# KiCad board panel.kicad_pcb
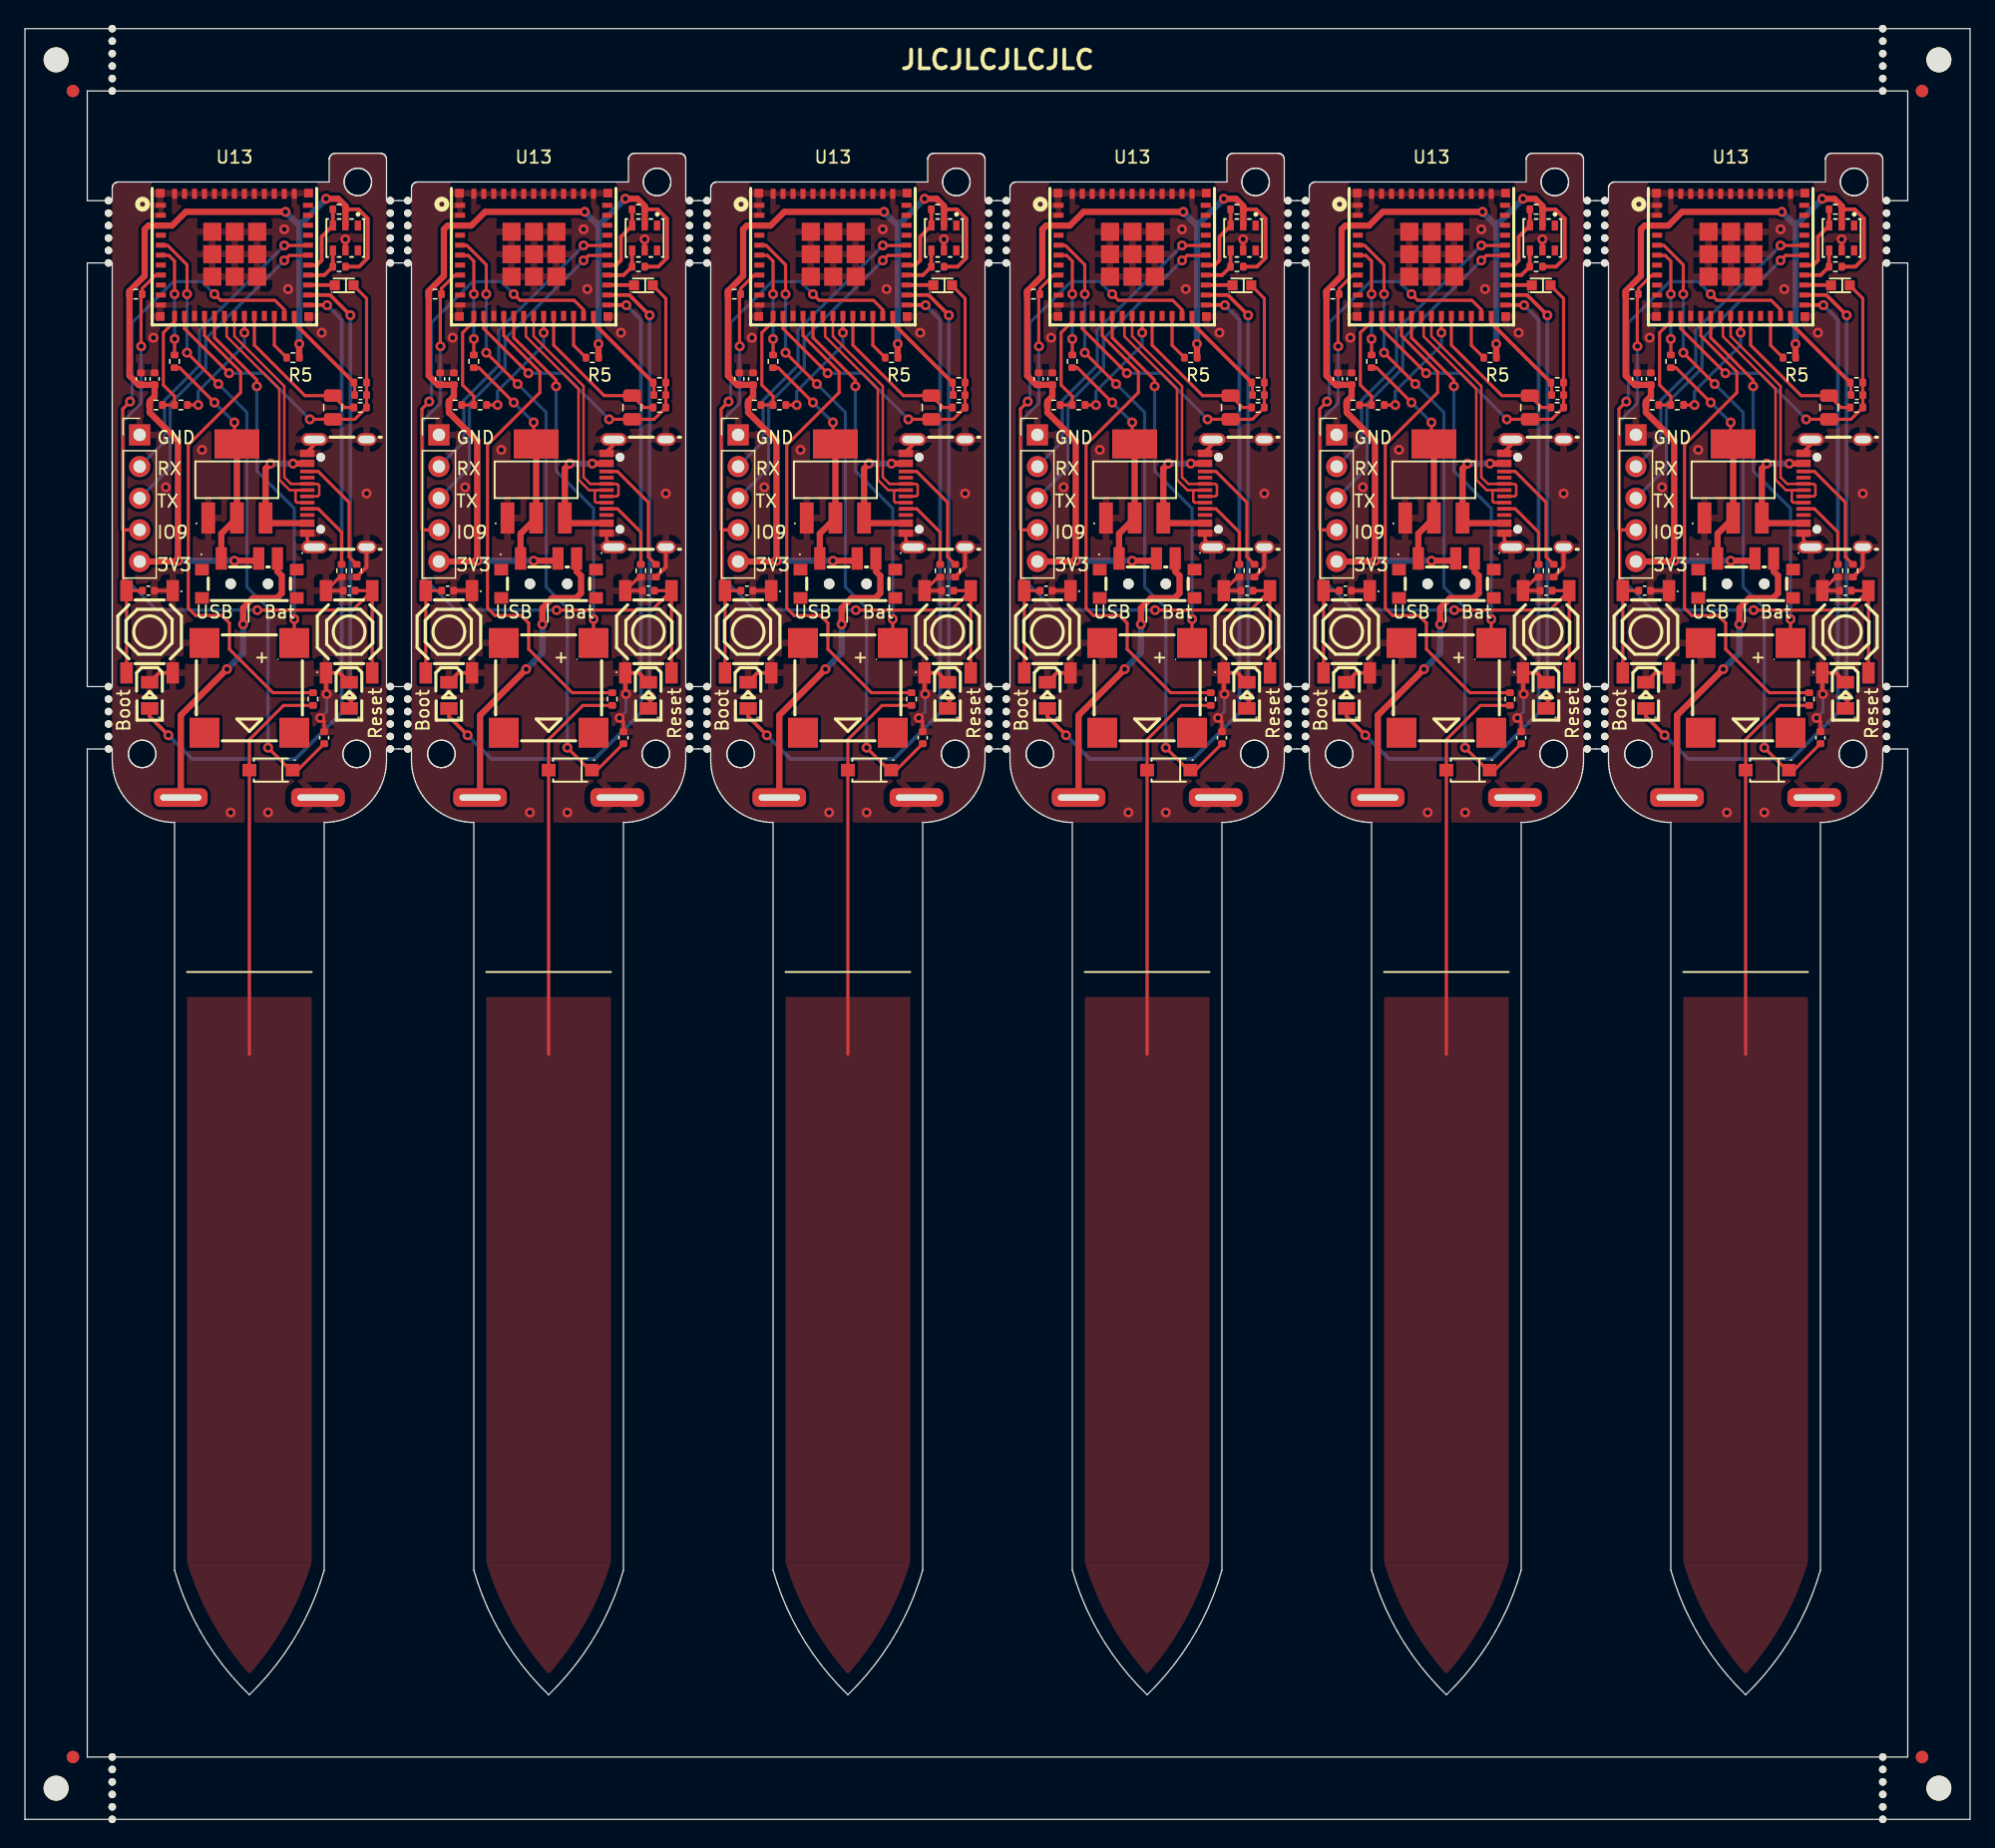
[diagram p0: board, top side]
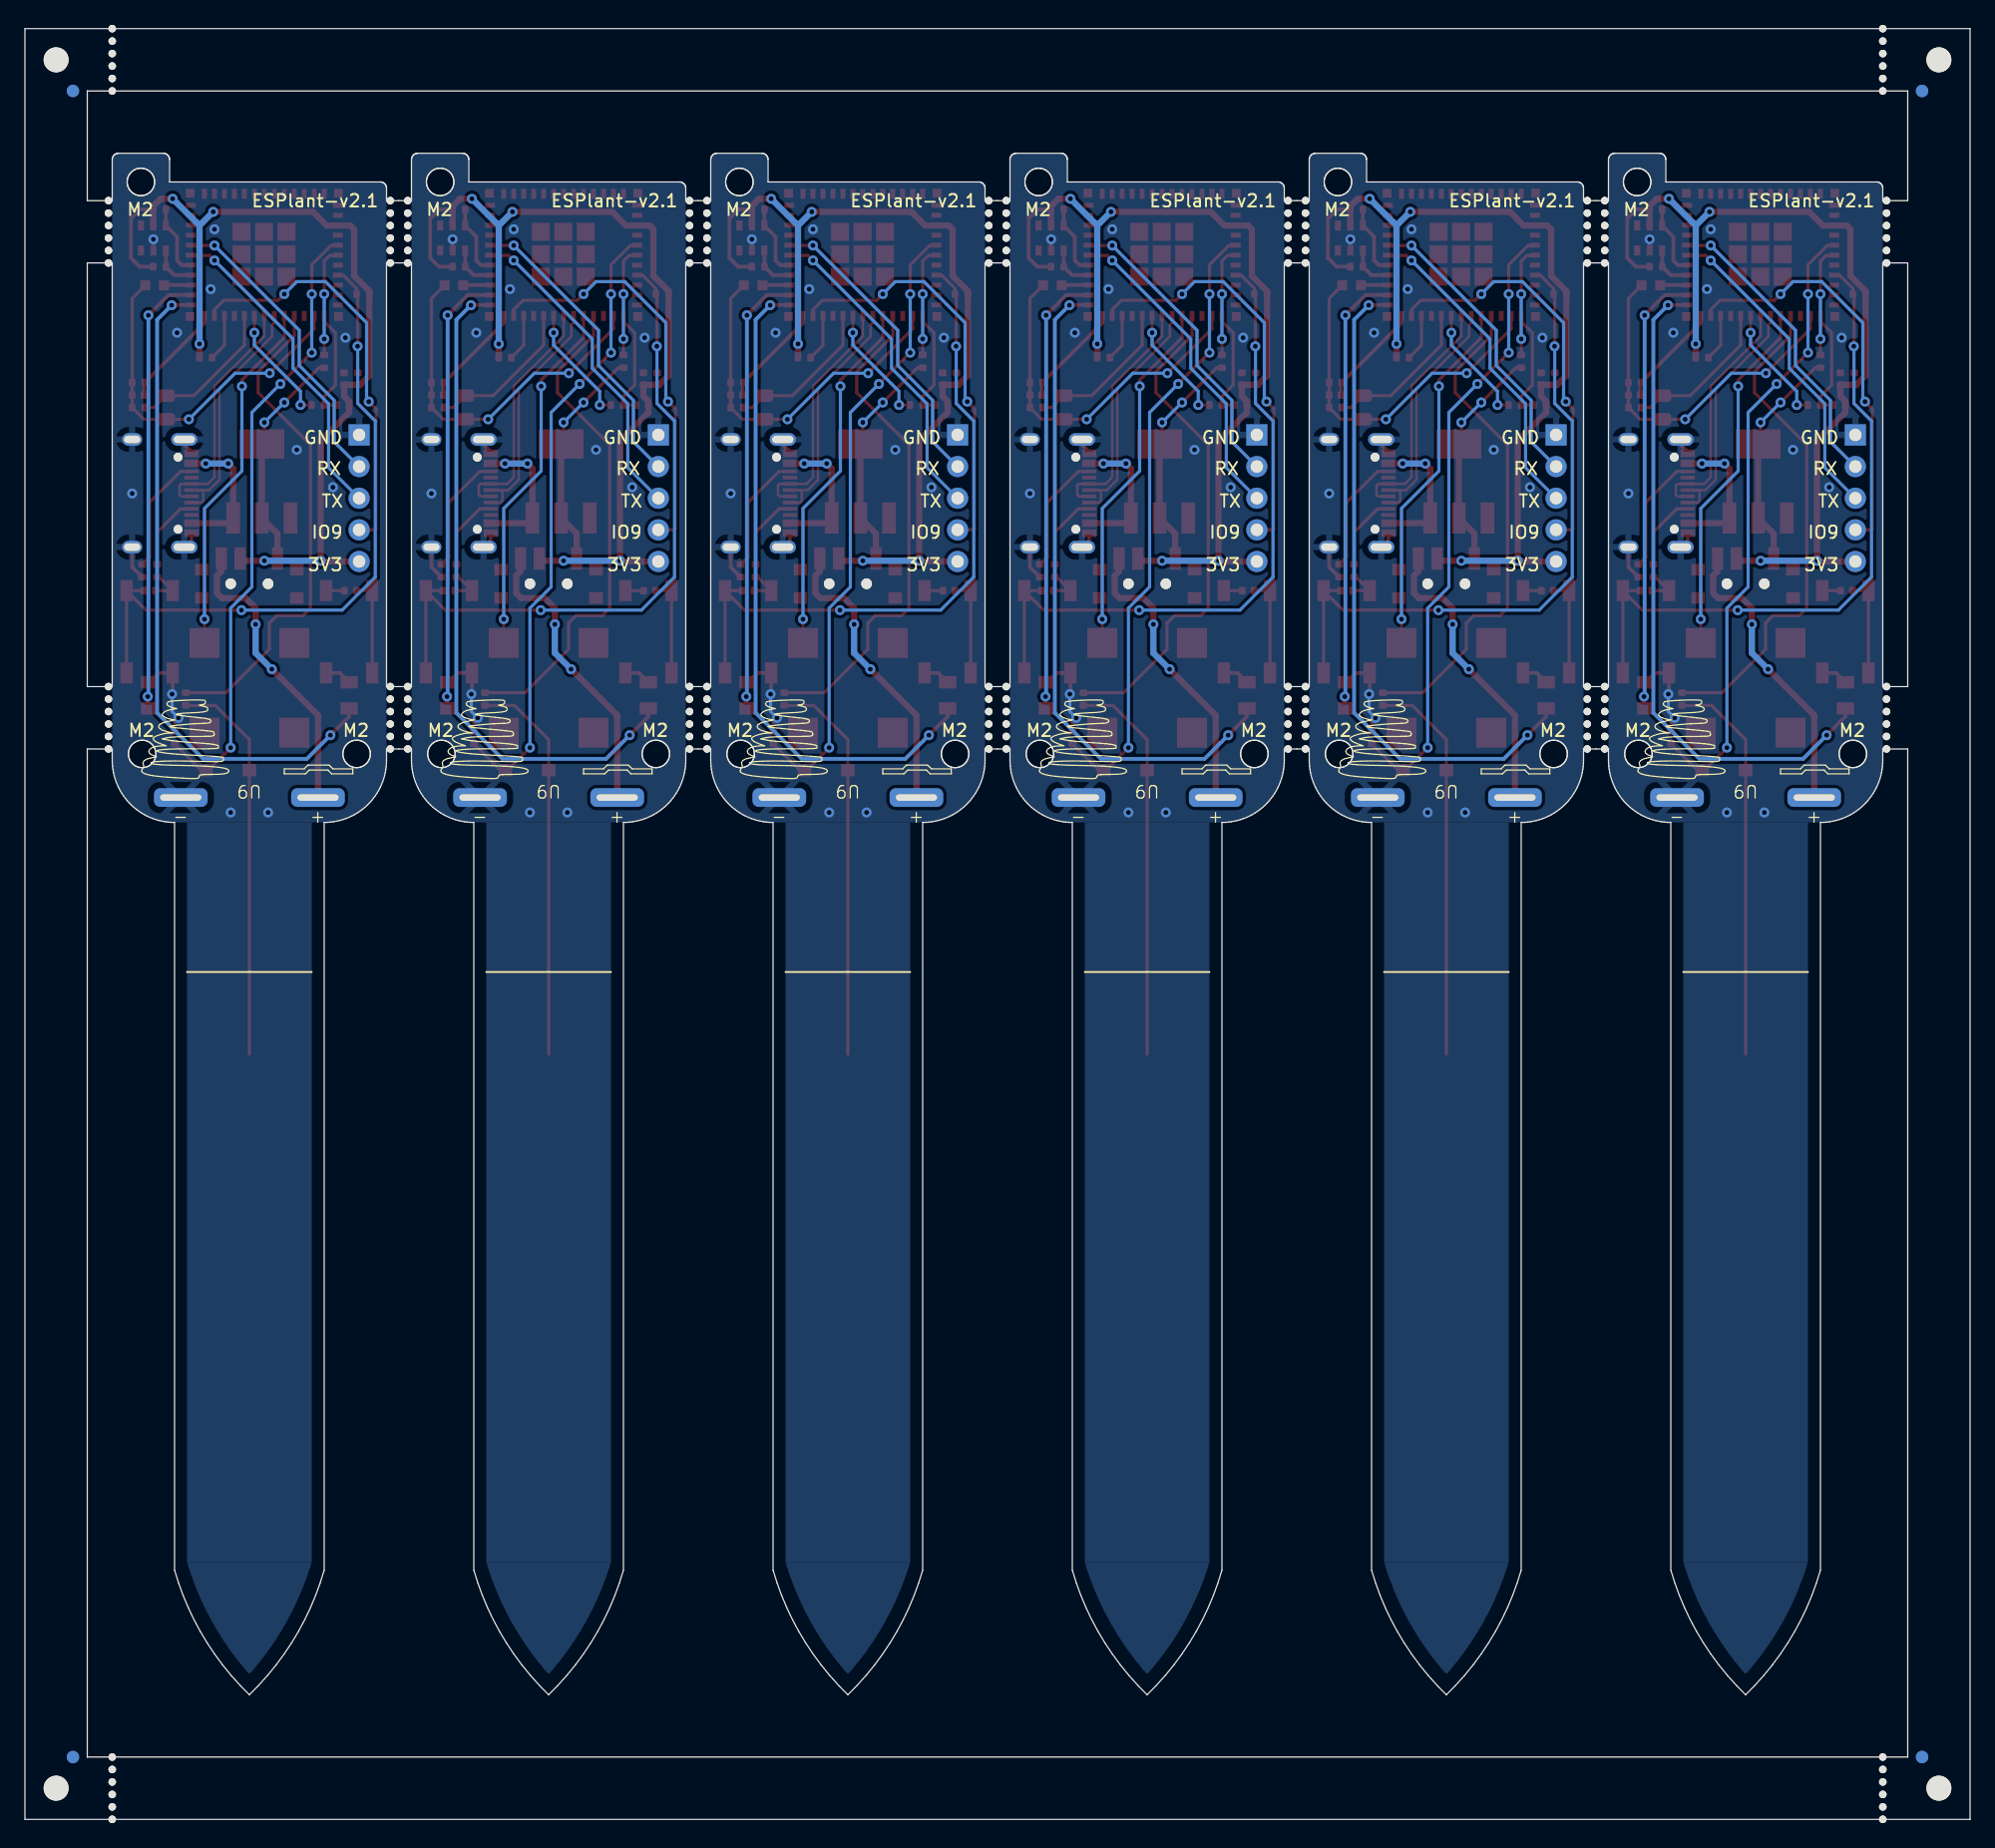
[diagram p1: board, bottom side, seen from below]

Outline 156 x 143.7 mm; copper layers: Top, Bottom. Coordinates in mm from the lower left corner of the outline.
Stack: Top 0.035mm / dielectric 1.51mm FR4 er 4.5 / Bottom 0.035mm

## Placement (name value [footprint] x y rotation side)
BZ1  Buzzer  [BUZ-SMD_4P-L8.5-W8.5-P8.50-BR]  42 90.8 180 top
BZ1#2  Buzzer  [BUZ-SMD_4P-L8.5-W8.5-P8.50-BR]  90 90.8 180 top
BZ1#3  Buzzer  [BUZ-SMD_4P-L8.5-W8.5-P8.50-BR]  138 90.8 180 top
BZ1#4  Buzzer  [BUZ-SMD_4P-L8.5-W8.5-P8.50-BR]  18 90.8 180 top
BZ1#5  Buzzer  [BUZ-SMD_4P-L8.5-W8.5-P8.50-BR]  66 90.8 180 top
BZ1#6  Buzzer  [BUZ-SMD_4P-L8.5-W8.5-P8.50-BR]  114 90.8 180 top
C1  100nF  [C_0402_1005Metric]  98 98.6 0 top
C1#2  100nF  [C_0402_1005Metric]  50 98.6 0 top
C1#3  100nF  [C_0402_1005Metric]  26 98.6 0 top
C1#4  100nF  [C_0402_1005Metric]  74 98.6 0 top
C1#5  100nF  [C_0402_1005Metric]  122 98.6 0 top
C1#6  100nF  [C_0402_1005Metric]  146 98.6 0 top
C2  100nF  [C_0402_1005Metric]  105.9 98.6 180 top
C2#2  100nF  [C_0402_1005Metric]  129.9 98.6 180 top
C2#3  100nF  [C_0402_1005Metric]  9.9 98.6 180 top
C2#4  100nF  [C_0402_1005Metric]  57.9 98.6 180 top
C2#5  100nF  [C_0402_1005Metric]  33.9 98.6 180 top
C2#6  100nF  [C_0402_1005Metric]  81.9 98.6 180 top
C3  150pF  [C_0402_1005Metric]  144 86.8 270 top
C3#2  150pF  [C_0402_1005Metric]  120 86.8 270 top
C3#3  150pF  [C_0402_1005Metric]  72 86.8 270 top
C3#4  150pF  [C_0402_1005Metric]  24 86.8 270 top
C3#5  150pF  [C_0402_1005Metric]  48 86.8 270 top
C3#6  150pF  [C_0402_1005Metric]  96 86.8 270 top
C5  100nF  [C_0402_1005Metric]  50.92 114.3 180 top
C5#2  100nF  [C_0402_1005Metric]  122.92 114.3 180 top
C5#3  100nF  [C_0402_1005Metric]  98.92 114.3 180 top
C5#4  100nF  [C_0402_1005Metric]  26.92 114.3 180 top
C5#5  100nF  [C_0402_1005Metric]  146.92 114.3 180 top
C5#6  100nF  [C_0402_1005Metric]  74.92 114.3 180 top
C7  47uF  [C_0805_2012Metric]  120.7 113.3 90 top
C7#2  47uF  [C_0805_2012Metric]  96.7 113.3 90 top
C7#3  47uF  [C_0805_2012Metric]  24.7 113.3 90 top
C7#4  47uF  [C_0805_2012Metric]  72.7 113.3 90 top
C7#5  47uF  [C_0805_2012Metric]  144.7 113.3 90 top
C7#6  47uF  [C_0805_2012Metric]  48.7 113.3 90 top
C8  10nF  [C_0402_1005Metric]  10.4 115.6 90 top
C8#2  10nF  [C_0402_1005Metric]  106.4 115.6 90 top
C8#3  10nF  [C_0402_1005Metric]  34.4 115.6 90 top
C8#4  10nF  [C_0402_1005Metric]  58.4 115.6 90 top
C8#5  10nF  [C_0402_1005Metric]  130.4 115.6 90 top
C8#6  10nF  [C_0402_1005Metric]  82.4 115.6 90 top
C9  10uF  [C_0402_1005Metric]  81.3 115.6 90 top
C9#2  10uF  [C_0402_1005Metric]  57.3 115.6 90 top
C9#3  10uF  [C_0402_1005Metric]  9.3 115.6 90 top
C9#4  10uF  [C_0402_1005Metric]  129.3 115.6 90 top
C9#5  10uF  [C_0402_1005Metric]  33.3 115.6 90 top
C9#6  10uF  [C_0402_1005Metric]  105.3 115.6 90 top
D1  GREEN  [LED0805-R-RD]  10 90.2 270 top
D1#2  GREEN  [LED0805-R-RD]  58 90.2 270 top
D1#3  GREEN  [LED0805-R-RD]  106 90.2 270 top
D1#4  GREEN  [LED0805-R-RD]  130 90.2 270 top
D1#5  GREEN  [LED0805-R-RD]  82 90.2 270 top
D1#6  GREEN  [LED0805-R-RD]  34 90.2 270 top
D2  SOD-123-Switching-Diode  [SOD-123F_L2.7-W1.6-LS3.8-RD]  67.73 84.2 180 top
D2#2  SOD-123-Switching-Diode  [SOD-123F_L2.7-W1.6-LS3.8-RD]  43.73 84.2 180 top
D2#3  SOD-123-Switching-Diode  [SOD-123F_L2.7-W1.6-LS3.8-RD]  115.73 84.2 180 top
D2#4  SOD-123-Switching-Diode  [SOD-123F_L2.7-W1.6-LS3.8-RD]  91.73 84.2 180 top
D2#5  SOD-123-Switching-Diode  [SOD-123F_L2.7-W1.6-LS3.8-RD]  139.73 84.2 180 top
D2#6  SOD-123-Switching-Diode  [SOD-123F_L2.7-W1.6-LS3.8-RD]  19.73 84.2 180 top
D3  RED  [LED0805-R-RD]  26 90.2 270 top
D3#2  RED  [LED0805-R-RD]  74 90.2 270 top
D3#3  RED  [LED0805-R-RD]  122 90.2 270 top
D3#4  RED  [LED0805-R-RD]  50 90.2 270 top
D3#5  RED  [LED0805-R-RD]  98 90.2 270 top
D3#6  RED  [LED0805-R-RD]  146 90.2 270 top
J1  Conn_01x05  [PinHeader_1x05_P2.54mm_Vertical]  57.2 111.1 0 top
J1#2  Conn_01x05  [PinHeader_1x05_P2.54mm_Vertical]  9.2 111.1 0 top
J1#3  Conn_01x05  [PinHeader_1x05_P2.54mm_Vertical]  81.2 111.1 0 top
J1#4  Conn_01x05  [PinHeader_1x05_P2.54mm_Vertical]  33.2 111.1 0 top
J1#5  Conn_01x05  [PinHeader_1x05_P2.54mm_Vertical]  105.2 111.1 0 top
J1#6  Conn_01x05  [PinHeader_1x05_P2.54mm_Vertical]  129.2 111.1 0 top
KiKit_FID_B_1  -  [Fiducial]  3.85 138.7 0 bottom
KiKit_FID_B_2  -  [Fiducial]  152.15 138.7 0 bottom
KiKit_FID_B_3  -  [Fiducial]  3.85 5 0 bottom
KiKit_FID_B_4  -  [Fiducial]  152.15 5 0 bottom
KiKit_FID_T_1  -  [Fiducial]  3.85 138.7 0 top
KiKit_FID_T_2  -  [Fiducial]  152.15 138.7 0 top
KiKit_FID_T_3  -  [Fiducial]  3.85 5 0 top
KiKit_FID_T_4  -  [Fiducial]  152.15 5 0 top
KiKit_MB_1_1  -  [NPTH]  29.3 124.9 0 top
KiKit_MB_1_2  -  [NPTH]  29.3 125.9 0 top
KiKit_MB_1_3  -  [NPTH]  29.3 126.9 0 top
KiKit_MB_1_4  -  [NPTH]  29.3 127.9 0 top
KiKit_MB_1_5  -  [NPTH]  29.3 128.9 0 top
KiKit_MB_1_6  -  [NPTH]  29.3 129.9 0 top
KiKit_MB_2_1  -  [NPTH]  6.7 129.9 0 top
KiKit_MB_2_2  -  [NPTH]  6.7 128.9 0 top
KiKit_MB_2_3  -  [NPTH]  6.7 127.9 0 top
KiKit_MB_2_4  -  [NPTH]  6.7 126.9 0 top
KiKit_MB_2_5  -  [NPTH]  6.7 125.9 0 top
KiKit_MB_2_6  -  [NPTH]  6.7 124.9 0 top
KiKit_MB_3_1  -  [NPTH]  6.7 90.9 0 top
KiKit_MB_3_2  -  [NPTH]  6.7 89.9 0 top
KiKit_MB_3_3  -  [NPTH]  6.7 88.9 0 top
KiKit_MB_3_4  -  [NPTH]  6.7 87.9 0 top
KiKit_MB_3_5  -  [NPTH]  6.7 86.9 0 top
KiKit_MB_3_6  -  [NPTH]  6.7 85.9 0 top
KiKit_MB_4_1  -  [NPTH]  29.3 85.9 0 top
KiKit_MB_4_2  -  [NPTH]  29.3 86.9 0 top
KiKit_MB_4_3  -  [NPTH]  29.3 87.9 0 top
KiKit_MB_4_4  -  [NPTH]  29.3 88.9 0 top
KiKit_MB_4_5  -  [NPTH]  29.3 89.9 0 top
KiKit_MB_4_6  -  [NPTH]  29.3 90.9 0 top
KiKit_MB_5_1  -  [NPTH]  53.3 124.9 0 top
KiKit_MB_5_2  -  [NPTH]  53.3 125.9 0 top
KiKit_MB_5_3  -  [NPTH]  53.3 126.9 0 top
KiKit_MB_5_4  -  [NPTH]  53.3 127.9 0 top
KiKit_MB_5_5  -  [NPTH]  53.3 128.9 0 top
KiKit_MB_5_6  -  [NPTH]  53.3 129.9 0 top
KiKit_MB_6_1  -  [NPTH]  30.7 129.9 0 top
KiKit_MB_6_2  -  [NPTH]  30.7 128.9 0 top
KiKit_MB_6_3  -  [NPTH]  30.7 127.9 0 top
KiKit_MB_6_4  -  [NPTH]  30.7 126.9 0 top
KiKit_MB_6_5  -  [NPTH]  30.7 125.9 0 top
KiKit_MB_6_6  -  [NPTH]  30.7 124.9 0 top
KiKit_MB_7_1  -  [NPTH]  30.7 90.9 0 top
KiKit_MB_7_2  -  [NPTH]  30.7 89.9 0 top
KiKit_MB_7_3  -  [NPTH]  30.7 88.9 0 top
KiKit_MB_7_4  -  [NPTH]  30.7 87.9 0 top
KiKit_MB_7_5  -  [NPTH]  30.7 86.9 0 top
KiKit_MB_7_6  -  [NPTH]  30.7 85.9 0 top
KiKit_MB_8_1  -  [NPTH]  53.3 85.9 0 top
KiKit_MB_8_2  -  [NPTH]  53.3 86.9 0 top
KiKit_MB_8_3  -  [NPTH]  53.3 87.9 0 top
KiKit_MB_8_4  -  [NPTH]  53.3 88.9 0 top
KiKit_MB_8_5  -  [NPTH]  53.3 89.9 0 top
KiKit_MB_8_6  -  [NPTH]  53.3 90.9 0 top
KiKit_MB_9_1  -  [NPTH]  77.3 124.9 0 top
KiKit_MB_9_2  -  [NPTH]  77.3 125.9 0 top
KiKit_MB_9_3  -  [NPTH]  77.3 126.9 0 top
KiKit_MB_9_4  -  [NPTH]  77.3 127.9 0 top
KiKit_MB_9_5  -  [NPTH]  77.3 128.9 0 top
KiKit_MB_9_6  -  [NPTH]  77.3 129.9 0 top
KiKit_MB_10_1  -  [NPTH]  54.7 129.9 0 top
KiKit_MB_10_2  -  [NPTH]  54.7 128.9 0 top
KiKit_MB_10_3  -  [NPTH]  54.7 127.9 0 top
KiKit_MB_10_4  -  [NPTH]  54.7 126.9 0 top
KiKit_MB_10_5  -  [NPTH]  54.7 125.9 0 top
KiKit_MB_10_6  -  [NPTH]  54.7 124.9 0 top
KiKit_MB_11_1  -  [NPTH]  54.7 90.9 0 top
KiKit_MB_11_2  -  [NPTH]  54.7 89.9 0 top
KiKit_MB_11_3  -  [NPTH]  54.7 88.9 0 top
KiKit_MB_11_4  -  [NPTH]  54.7 87.9 0 top
KiKit_MB_11_5  -  [NPTH]  54.7 86.9 0 top
KiKit_MB_11_6  -  [NPTH]  54.7 85.9 0 top
KiKit_MB_12_1  -  [NPTH]  77.3 85.9 0 top
KiKit_MB_12_2  -  [NPTH]  77.3 86.9 0 top
KiKit_MB_12_3  -  [NPTH]  77.3 87.9 0 top
KiKit_MB_12_4  -  [NPTH]  77.3 88.9 0 top
KiKit_MB_12_5  -  [NPTH]  77.3 89.9 0 top
KiKit_MB_12_6  -  [NPTH]  77.3 90.9 0 top
KiKit_MB_13_1  -  [NPTH]  101.3 124.9 0 top
KiKit_MB_13_2  -  [NPTH]  101.3 125.9 0 top
KiKit_MB_13_3  -  [NPTH]  101.3 126.9 0 top
KiKit_MB_13_4  -  [NPTH]  101.3 127.9 0 top
KiKit_MB_13_5  -  [NPTH]  101.3 128.9 0 top
KiKit_MB_13_6  -  [NPTH]  101.3 129.9 0 top
KiKit_MB_14_1  -  [NPTH]  78.7 129.9 0 top
KiKit_MB_14_2  -  [NPTH]  78.7 128.9 0 top
KiKit_MB_14_3  -  [NPTH]  78.7 127.9 0 top
KiKit_MB_14_4  -  [NPTH]  78.7 126.9 0 top
KiKit_MB_14_5  -  [NPTH]  78.7 125.9 0 top
KiKit_MB_14_6  -  [NPTH]  78.7 124.9 0 top
KiKit_MB_15_1  -  [NPTH]  78.7 90.9 0 top
KiKit_MB_15_2  -  [NPTH]  78.7 89.9 0 top
KiKit_MB_15_3  -  [NPTH]  78.7 88.9 0 top
KiKit_MB_15_4  -  [NPTH]  78.7 87.9 0 top
KiKit_MB_15_5  -  [NPTH]  78.7 86.9 0 top
KiKit_MB_15_6  -  [NPTH]  78.7 85.9 0 top
KiKit_MB_16_1  -  [NPTH]  101.3 85.9 0 top
KiKit_MB_16_2  -  [NPTH]  101.3 86.9 0 top
KiKit_MB_16_3  -  [NPTH]  101.3 87.9 0 top
KiKit_MB_16_4  -  [NPTH]  101.3 88.9 0 top
KiKit_MB_16_5  -  [NPTH]  101.3 89.9 0 top
KiKit_MB_16_6  -  [NPTH]  101.3 90.9 0 top
KiKit_MB_17_1  -  [NPTH]  125.3 124.9 0 top
KiKit_MB_17_2  -  [NPTH]  125.3 125.9 0 top
KiKit_MB_17_3  -  [NPTH]  125.3 126.9 0 top
KiKit_MB_17_4  -  [NPTH]  125.3 127.9 0 top
KiKit_MB_17_5  -  [NPTH]  125.3 128.9 0 top
KiKit_MB_17_6  -  [NPTH]  125.3 129.9 0 top
KiKit_MB_18_1  -  [NPTH]  102.7 129.9 0 top
KiKit_MB_18_2  -  [NPTH]  102.7 128.9 0 top
KiKit_MB_18_3  -  [NPTH]  102.7 127.9 0 top
KiKit_MB_18_4  -  [NPTH]  102.7 126.9 0 top
KiKit_MB_18_5  -  [NPTH]  102.7 125.9 0 top
KiKit_MB_18_6  -  [NPTH]  102.7 124.9 0 top
KiKit_MB_19_1  -  [NPTH]  102.7 90.9 0 top
KiKit_MB_19_2  -  [NPTH]  102.7 89.9 0 top
KiKit_MB_19_3  -  [NPTH]  102.7 88.9 0 top
KiKit_MB_19_4  -  [NPTH]  102.7 87.9 0 top
KiKit_MB_19_5  -  [NPTH]  102.7 86.9 0 top
KiKit_MB_19_6  -  [NPTH]  102.7 85.9 0 top
KiKit_MB_20_1  -  [NPTH]  125.3 85.9 0 top
KiKit_MB_20_2  -  [NPTH]  125.3 86.9 0 top
KiKit_MB_20_3  -  [NPTH]  125.3 87.9 0 top
KiKit_MB_20_4  -  [NPTH]  125.3 88.9 0 top
KiKit_MB_20_5  -  [NPTH]  125.3 89.9 0 top
KiKit_MB_20_6  -  [NPTH]  125.3 90.9 0 top
KiKit_MB_21_1  -  [NPTH]  149.3 124.9 0 top
KiKit_MB_21_2  -  [NPTH]  149.3 125.9 0 top
KiKit_MB_21_3  -  [NPTH]  149.3 126.9 0 top
KiKit_MB_21_4  -  [NPTH]  149.3 127.9 0 top
KiKit_MB_21_5  -  [NPTH]  149.3 128.9 0 top
KiKit_MB_21_6  -  [NPTH]  149.3 129.9 0 top
KiKit_MB_22_1  -  [NPTH]  126.7 129.9 0 top
KiKit_MB_22_2  -  [NPTH]  126.7 128.9 0 top
KiKit_MB_22_3  -  [NPTH]  126.7 127.9 0 top
KiKit_MB_22_4  -  [NPTH]  126.7 126.9 0 top
KiKit_MB_22_5  -  [NPTH]  126.7 125.9 0 top
KiKit_MB_22_6  -  [NPTH]  126.7 124.9 0 top
KiKit_MB_23_1  -  [NPTH]  126.7 90.9 0 top
KiKit_MB_23_2  -  [NPTH]  126.7 89.9 0 top
KiKit_MB_23_3  -  [NPTH]  126.7 88.9 0 top
KiKit_MB_23_4  -  [NPTH]  126.7 87.9 0 top
KiKit_MB_23_5  -  [NPTH]  126.7 86.9 0 top
KiKit_MB_23_6  -  [NPTH]  126.7 85.9 0 top
KiKit_MB_24_1  -  [NPTH]  149.3 85.9 0 top
KiKit_MB_24_2  -  [NPTH]  149.3 86.9 0 top
KiKit_MB_24_3  -  [NPTH]  149.3 87.9 0 top
KiKit_MB_24_4  -  [NPTH]  149.3 88.9 0 top
KiKit_MB_24_5  -  [NPTH]  149.3 89.9 0 top
KiKit_MB_24_6  -  [NPTH]  149.3 90.9 0 top
KiKit_MB_25_1  -  [NPTH]  7 143.7 0 top
KiKit_MB_25_2  -  [NPTH]  7 142.7 0 top
KiKit_MB_25_3  -  [NPTH]  7 141.7 0 top
KiKit_MB_25_4  -  [NPTH]  7 140.7 0 top
KiKit_MB_25_5  -  [NPTH]  7 139.7 0 top
KiKit_MB_25_6  -  [NPTH]  7 138.7 0 top
KiKit_MB_26_1  -  [NPTH]  149 143.7 0 top
KiKit_MB_26_2  -  [NPTH]  149 142.7 0 top
KiKit_MB_26_3  -  [NPTH]  149 141.7 0 top
KiKit_MB_26_4  -  [NPTH]  149 140.7 0 top
KiKit_MB_26_5  -  [NPTH]  149 139.7 0 top
KiKit_MB_26_6  -  [NPTH]  149 138.7 0 top
KiKit_MB_27_1  -  [NPTH]  7 5 0 top
KiKit_MB_27_2  -  [NPTH]  7 4 0 top
KiKit_MB_27_3  -  [NPTH]  7 3 0 top
KiKit_MB_27_4  -  [NPTH]  7 2 0 top
KiKit_MB_27_5  -  [NPTH]  7 1 0 top
KiKit_MB_27_6  -  [NPTH]  7 0 0 top
KiKit_MB_28_1  -  [NPTH]  149 5 0 top
KiKit_MB_28_2  -  [NPTH]  149 4 0 top
KiKit_MB_28_3  -  [NPTH]  149 3 0 top
KiKit_MB_28_4  -  [NPTH]  149 2 0 top
KiKit_MB_28_5  -  [NPTH]  149 1 0 top
KiKit_MB_28_6  -  [NPTH]  149 0 0 top
KiKit_TO_1  -  [NPTH#2]  2.5 141.2 0 top
KiKit_TO_2  -  [NPTH#2]  153.5 141.2 0 top
KiKit_TO_3  -  [NPTH#2]  2.5 2.5 0 top
KiKit_TO_4  -  [NPTH#2]  153.5 2.5 0 top
R1  10M  [R_0402_1005Metric]  146.89 115.3 180 top
R1#2  10M  [R_0402_1005Metric]  26.89 115.3 180 top
R1#3  10M  [R_0402_1005Metric]  74.89 115.3 180 top
R1#4  10M  [R_0402_1005Metric]  122.89 115.3 180 top
R1#5  10M  [R_0402_1005Metric]  50.89 115.3 180 top
R1#6  10M  [R_0402_1005Metric]  98.89 115.3 180 top
R2  5k1  [R_0402_1005Metric]  73.2 129.2 0 top
R2#2  5k1  [R_0402_1005Metric]  121.2 129.2 0 top
R2#3  5k1  [R_0402_1005Metric]  25.2 129.2 0 top
R2#4  5k1  [R_0402_1005Metric]  97.2 129.2 0 top
R2#5  5k1  [R_0402_1005Metric]  145.2 129.2 0 top
R2#6  5k1  [R_0402_1005Metric]  49.2 129.2 0 top
R3  1k  [R_0402_1005Metric]  50.89 113.3 180 top
R3#2  1k  [R_0402_1005Metric]  74.89 113.3 180 top
R3#3  1k  [R_0402_1005Metric]  26.89 113.3 180 top
R3#4  1k  [R_0402_1005Metric]  146.89 113.3 180 top
R3#5  1k  [R_0402_1005Metric]  122.89 113.3 180 top
R3#6  1k  [R_0402_1005Metric]  98.89 113.3 180 top
R4  5k1  [R_0402_1005Metric]  82.51 113.5 0 top
R4#2  5k1  [R_0402_1005Metric]  130.51 113.5 0 top
R4#3  5k1  [R_0402_1005Metric]  10.51 113.5 0 top
R4#4  5k1  [R_0402_1005Metric]  58.51 113.5 0 top
R4#5  5k1  [R_0402_1005Metric]  106.51 113.5 0 top
R4#6  5k1  [R_0402_1005Metric]  34.51 113.5 0 top
R5  10k  [R_0402_1005Metric]  45.5 117.3 0 top
R5#2  10k  [R_0402_1005Metric]  69.5 117.3 0 top
R5#3  10k  [R_0402_1005Metric]  21.5 117.3 0 top
R5#4  10k  [R_0402_1005Metric]  117.5 117.3 0 top
R5#5  10k  [R_0402_1005Metric]  93.5 117.3 0 top
R5#6  10k  [R_0402_1005Metric]  141.5 117.3 0 top
R6  2k  [R_0402_1005Metric]  36.51 113.5 0 top
R6#2  2k  [R_0402_1005Metric]  108.51 113.5 0 top
R6#3  2k  [R_0402_1005Metric]  12.51 113.5 0 top
R6#4  2k  [R_0402_1005Metric]  132.51 113.5 0 top
R6#5  2k  [R_0402_1005Metric]  60.51 113.5 0 top
R6#6  2k  [R_0402_1005Metric]  84.51 113.5 0 top
R7  10k  [R_0402_1005Metric]  36 117 90 top
R7#2  10k  [R_0402_1005Metric]  108 117 90 top
R7#3  10k  [R_0402_1005Metric]  12 117 90 top
R7#4  10k  [R_0402_1005Metric]  60 117 90 top
R7#5  10k  [R_0402_1005Metric]  84 117 90 top
R7#6  10k  [R_0402_1005Metric]  132 117 90 top
R8  10k  [R_0402_1005Metric]  143.1 89.9 90 top
R8#2  10k  [R_0402_1005Metric]  119.1 89.9 90 top
R8#3  10k  [R_0402_1005Metric]  95.1 89.9 90 top
R8#4  10k  [R_0402_1005Metric]  47.1 89.9 90 top
R8#5  10k  [R_0402_1005Metric]  71.1 89.9 90 top
R8#6  10k  [R_0402_1005Metric]  23.1 89.9 90 top
R9  10k  [R_0402_1005Metric]  80.89 122.4 0 top
R9#2  10k  [R_0402_1005Metric]  128.89 122.4 0 top
R9#3  10k  [R_0402_1005Metric]  104.89 122.4 0 top
R9#4  10k  [R_0402_1005Metric]  32.89 122.4 0 top
R9#5  10k  [R_0402_1005Metric]  56.89 122.4 0 top
R9#6  10k  [R_0402_1005Metric]  8.89 122.4 0 top
R10  5k1  [R_0402_1005Metric]  25.2 124.6 0 top
R10#2  5k1  [R_0402_1005Metric]  145.2 124.6 0 top
R10#3  5k1  [R_0402_1005Metric]  121.2 124.6 0 top
R10#4  5k1  [R_0402_1005Metric]  49.2 124.6 0 top
R10#5  5k1  [R_0402_1005Metric]  73.2 124.6 0 top
R10#6  5k1  [R_0402_1005Metric]  97.2 124.6 0 top
R11  5k1  [R_0402_1005Metric]  73.4 100.2 90 top
R11#2  5k1  [R_0402_1005Metric]  97.4 100.2 90 top
R11#3  5k1  [R_0402_1005Metric]  121.4 100.2 90 top
R11#4  5k1  [R_0402_1005Metric]  49.4 100.2 90 top
R11#5  5k1  [R_0402_1005Metric]  145.4 100.2 90 top
R11#6  5k1  [R_0402_1005Metric]  25.4 100.2 90 top
R12  5k1  [R_0402_1005Metric]  122.6 100.2 90 top
R12#2  5k1  [R_0402_1005Metric]  98.6 100.2 90 top
R12#3  5k1  [R_0402_1005Metric]  146.6 100.2 90 top
R12#4  5k1  [R_0402_1005Metric]  50.6 100.2 90 top
R12#5  5k1  [R_0402_1005Metric]  74.6 100.2 90 top
R12#6  5k1  [R_0402_1005Metric]  26.6 100.2 90 top
U1  HC-TYPE-C-16P-01A-G  [USB-C-SMD_G-SWITCH_GT-USB-7010EN]  145.02 106.42 90 top
U1#2  HC-TYPE-C-16P-01A-G  [USB-C-SMD_G-SWITCH_GT-USB-7010EN]  97.02 106.42 90 top
U1#3  HC-TYPE-C-16P-01A-G  [USB-C-SMD_G-SWITCH_GT-USB-7010EN]  49.02 106.42 90 top
U1#4  HC-TYPE-C-16P-01A-G  [USB-C-SMD_G-SWITCH_GT-USB-7010EN]  121.02 106.42 90 top
U1#5  HC-TYPE-C-16P-01A-G  [USB-C-SMD_G-SWITCH_GT-USB-7010EN]  73.02 106.42 90 top
U1#6  HC-TYPE-C-16P-01A-G  [USB-C-SMD_G-SWITCH_GT-USB-7010EN]  25.02 106.42 90 top
U3  Reset  [SW-SMD_4P-L5.1-W5.1-P3.70-LS6.5-TL-2]  146 95.3 90 top
U3#2  Reset  [SW-SMD_4P-L5.1-W5.1-P3.70-LS6.5-TL-2]  50 95.3 90 top
U3#3  Reset  [SW-SMD_4P-L5.1-W5.1-P3.70-LS6.5-TL-2]  98 95.3 90 top
U3#4  Reset  [SW-SMD_4P-L5.1-W5.1-P3.70-LS6.5-TL-2]  122 95.3 90 top
U3#5  Reset  [SW-SMD_4P-L5.1-W5.1-P3.70-LS6.5-TL-2]  74 95.3 90 top
U3#6  Reset  [SW-SMD_4P-L5.1-W5.1-P3.70-LS6.5-TL-2]  26 95.3 90 top
U4  Boot  [SW-SMD_4P-L5.1-W5.1-P3.70-LS6.5-TL-2]  82 95.3 270 top
U4#2  Boot  [SW-SMD_4P-L5.1-W5.1-P3.70-LS6.5-TL-2]  34 95.3 270 top
U4#3  Boot  [SW-SMD_4P-L5.1-W5.1-P3.70-LS6.5-TL-2]  130 95.3 270 top
U4#4  Boot  [SW-SMD_4P-L5.1-W5.1-P3.70-LS6.5-TL-2]  58 95.3 270 top
U4#5  Boot  [SW-SMD_4P-L5.1-W5.1-P3.70-LS6.5-TL-2]  106 95.3 270 top
U4#6  Boot  [SW-SMD_4P-L5.1-W5.1-P3.70-LS6.5-TL-2]  10 95.3 270 top
U5  Temp/Humid-Sensor  [SENSOR-SMD_L3.0-W3.0-P1.00-BR]  73.7 126.9 90 top
U5#2  Temp/Humid-Sensor  [SENSOR-SMD_L3.0-W3.0-P1.00-BR]  97.7 126.9 90 top
U5#3  Temp/Humid-Sensor  [SENSOR-SMD_L3.0-W3.0-P1.00-BR]  121.7 126.9 90 top
U5#4  Temp/Humid-Sensor  [SENSOR-SMD_L3.0-W3.0-P1.00-BR]  25.7 126.9 90 top
U5#5  Temp/Humid-Sensor  [SENSOR-SMD_L3.0-W3.0-P1.00-BR]  145.7 126.9 90 top
U5#6  Temp/Humid-Sensor  [SENSOR-SMD_L3.0-W3.0-P1.00-BR]  49.7 126.9 90 top
U6  Light sensor  [SENSORS-SMD_ALS-PT19]  25.6 123.1 0 top
U6#2  Light sensor  [SENSORS-SMD_ALS-PT19]  73.6 123.1 0 top
U6#3  Light sensor  [SENSORS-SMD_ALS-PT19]  97.6 123.1 0 top
U6#4  Light sensor  [SENSORS-SMD_ALS-PT19]  49.6 123.1 0 top
U6#5  Light sensor  [SENSORS-SMD_ALS-PT19]  145.6 123.1 0 top
U6#6  Light sensor  [SENSORS-SMD_ALS-PT19]  121.6 123.1 0 top
U7  AMS1117-3_3  [SOT-223-3_L6.5-W3.4-P2.30-LS7.0-BR]  89 107.4 270 top
U7#2  AMS1117-3_3  [SOT-223-3_L6.5-W3.4-P2.30-LS7.0-BR]  41 107.4 270 top
U7#3  AMS1117-3_3  [SOT-223-3_L6.5-W3.4-P2.30-LS7.0-BR]  65 107.4 270 top
U7#4  AMS1117-3_3  [SOT-223-3_L6.5-W3.4-P2.30-LS7.0-BR]  17 107.4 270 top
U7#5  AMS1117-3_3  [SOT-223-3_L6.5-W3.4-P2.30-LS7.0-BR]  113 107.4 270 top
U7#6  AMS1117-3_3  [SOT-223-3_L6.5-W3.4-P2.30-LS7.0-BR]  137 107.4 270 top
U8  MK-12C02-G025  [SW-SMD_MK-12C02-G025]  66 99.6 0 top
U8#2  MK-12C02-G025  [SW-SMD_MK-12C02-G025]  42 99.6 0 top
U8#3  MK-12C02-G025  [SW-SMD_MK-12C02-G025]  114 99.6 0 top
U8#4  MK-12C02-G025  [SW-SMD_MK-12C02-G025]  138 99.6 0 top
U8#5  MK-12C02-G025  [SW-SMD_MK-12C02-G025]  18 99.6 0 top
U8#6  MK-12C02-G025  [SW-SMD_MK-12C02-G025]  90 99.6 0 top
U9  ~  [AAA Battery-spring]  18 82 180 bottom
U9#2  ~  [AAA Battery-spring]  114 82 180 bottom
U9#3  ~  [AAA Battery-spring]  90 82 180 bottom
U9#4  ~  [AAA Battery-spring]  66 82 180 bottom
U9#5  ~  [AAA Battery-spring]  42 82 180 bottom